# Altium PCB unextended_ANSI.PcbDoc (part 1 of 2) (continued)
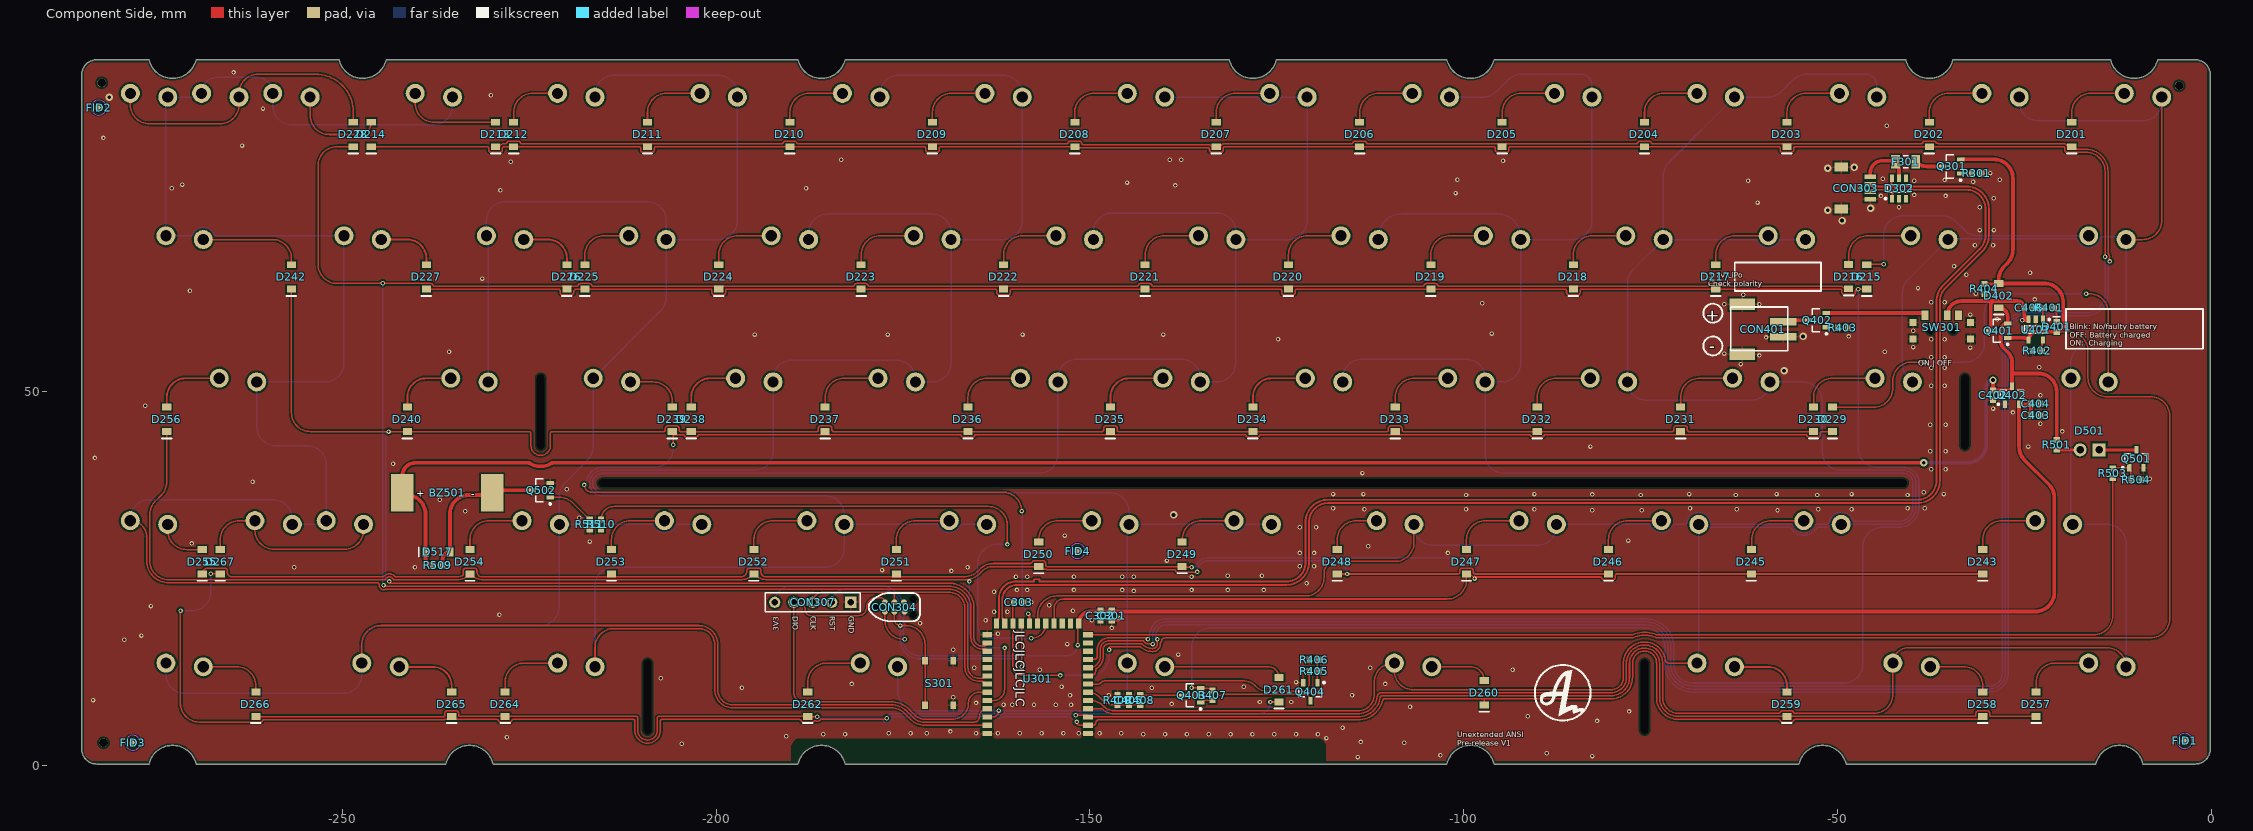
[diagram p0: Component Side view]
## Footprints (in the part's own frame and the unit in brackets; to place one, negate y for a bottom-side part, rotate by r counter-clockwise, add the part's x,y. Pads: shape width x height; smd on the part's side, far side on the other; paste and mask are expansions set on the pad) (continued)
  rect 1x0.75 smd: 1(-3,1.875) 1(3,1.875) 2(-3,-1.875) 2(3,-1.875)
  body extent -3.25,-2.55 3.25,2.55, height 2

## Part data
BZ501: library part Speaker, "Loudspeaker", LCSC MFG=Fengming, LCSC Part #=C409829, MRF.Part=YS-SBZ1230
C301 C402 C404 C406: library part Cap, "Capacitor", LCSC MFG="Samsung Electro-Mechanics", LCSC Part #=C19666, MRF.Part=CL10A475KO8NNNC
C302 C303: library part Cap, "Capacitor", LCSC MFG=YAGEO, LCSC Part #=C14663, MFG=KEMET, MFGPN=C0603C104M5RACTU, MRF.Part=CC0603KRX7R9BB104, Version="0603 imperial"
C403: library part Cap, "Capacitor", LCSC MFG="Samsung Electro-Mechanics", LCSC Part #=C15849, MFG=KEMET, MFGPN=C0603C104M5RACTU, MRF.Part=CL10A105KB8NNNC, Version="0603 imperial"
C405: library part Cap, "Capacitor", Version="0603 imperial"
CON303: "JST for USB daughter board", LCSC MFG="JST Sales America", LCSC Part #=C160404, MFG="JST Sales America Inc.", MFGPN=SM04B-SRSS-TB(LF)(SN), MRF.Part=SM04B-SRSS-TB(LF)(SN)
CON304: library part "Header 3X2", "Header, 3-Pin, Dual row"
CON307: "Header, 5-Pin"
CON401: library part "JST S2B-PH-SM4-TB", LCSC MFG="JST Sales America"
D201 D202 D203 D204 D205 D206 D207 D208 D209 D210 D211 D212 D213 D214 D215 D216 D217 D218 D219 D220 D221 D222 D223 D224 D225 D226 D227 D228 D229 D230 D231 D232 D233 D234 D235 D236 D237 D238 D239 D240 D242 D243 D245 D246 D247 D248 D249 D250 D251 D252 D253 D254 D255 D256 D257 D258 D259 D260 D261 D262 D264 D265 D266 D267: "Default Diode", LCSC MFG=ST(Semtech), LCSC Part #=C81598, MRF.Part=1N4148W, Version=SOD-123
D302: LCSC MFG="ProTek Devices", LCSC Part #=C85364, MRF.Part=SRV05-4-P-T7
D401: "Typical INFRARED GaAs LED", LCSC MFG="Everlight Elec", LCSC Part #=C72038, MRF.Part=19-213/Y2C-CQ2R2L/3T(CY)
D402: "Default Diode", LCSC MFG="Changjiang Electronics Tech (CJ)", LCSC Part #=C8598, MRF.Part=B5819W, Version=SOD-123
D501: library part Diode, "Default Diode"
D517: library part Diode, "Default Diode", LCSC MFG="Changjiang Electronics Tech (CJ)", LCSC Part #=C8598, MRF.Part=B5819W, Version=SOD-123
F301: "Thermal Fuse", LCSC MFG="Shenzhen JDT Fuse", LCSC Part #=C135338, MFG="Bel Fuse Inc.", MFGPN=0ZCJ0050FF2G, MRF.Part=ASMD1206-050
Q301 Q401 Q402: "P-Channel Power MOSFET", LCSC MFG="Vishay Intertech", LCSC Part #=C10487, MRF.Part=SI2301CDS-T1-GE3
  Q301 Q402: Version=SOT23-3
  Q401: Note="Pin 4 not drawn and electrically connected to Pin 2."
Q403: library part PMOS-2, "P-Channel Power MOSFET", LCSC MFG="Vishay Intertech", LCSC Part #=C10487, MRF.Part=SI2301CDS-T1-GE3, Note="Pin 4 not drawn and electrically connected to Pin 2."
Q404 Q501 Q502: library part MOSFET-N, "N-Channel MOSFET", LCSC MFG="Changjiang Electronics Tech (CJ)", LCSC Part #=C8545, MRF.Part=2N7002
R301 R403 R504: "Resistor", LCSC MFG="Uniroyal Elec", LCSC Part #=C25804, MFG="Panasonic Electronic Components", MFGPN=ERJ-3EKF5101V, MRF.Part=0603WAF1002T5E, Version="0603 imperial"
R401 R501 R503: "Resistor", LCSC MFG="UNI-ROYAL(Uniroyal Elec)", LCSC Part #=C23179, MFG="Panasonic Electronic Components", MFGPN=ERJ-3EKF5101V, MRF.Part=0603WAF4700T5E, Version="0603 imperial"
R402: "Resistor", LCSC MFG="Uniroyal Elec", LCSC Part #=C23186, MFG="Panasonic Electronic Components", MFGPN=ERJ-3EKF5101V, MRF.Part=0603WAF5101T5E, Version="0603 imperial"
R404 R406 R407 R511: "Resistor", LCSC MFG="Uniroyal Elec", LCSC Part #=C25803, MRF.Part=0603WAF1003T5E, Version="0603 imperial"
R405 R510: "Resistor", LCSC MFG="Uniroyal Elec", LCSC Part #=C23138, MRF.Part=0603WAF3300T5E, Version="0603 imperial"
R408: "Resistor", LCSC MFG="Uniroyal Elec", LCSC Part #=C22935, MRF.Part=0603WAF1004T5E, Version="0603 imperial"
R409: "Resistor", LCSC MFG="Uniroyal Elec", LCSC Part #=C22976, MRF.Part=0603WAF2004T5E, Version="0603 imperial"
R509: "Resistor", LCSC MFG="Uniroyal Elec", LCSC Part #=C23228, MRF.Part=0603WAF6800T5E, Version="0603 imperial"
S201 S202 S203 S204 S205 S206 S207 S208 S209 S210 S211 S212 S213 S214 S216 S217 S218 S219 S220 S221 S222 S223 S224 S225 S226 S227 S228 S229 S230 S231 S232 S233 S234 S235 S236 S237 S238 S239 S240 S242 S243 S245 S246 S247 S248 S249 S250 S251 S252 S253 S254 S255 S256 S257 S258 S259 S260 S261 S262 S264 S265 S266 S267: library part SW-PB, "Switch"
S215: library part SW-PB, "TAB"
S301: "Switch", LCSC MFG="XKB Enterprise", LCSC Part #=C318888, MFG=C&K, MFGPN="PTS645SM43SMTR92 LFS", MRF.Part=TS-1187A-C-D-B
SW301: LCSC MFG="Korean Hroparts Elec", LCSC Part #=C136659, MFGPN=K3-1296S-E2
U401: library part MCP73831, LCSC MFG="Nanjing Extension Microelectronics", LCSC Part #=C32574, MRF.Part=TP4054
U402: library part "SOT23 LDO", LCSC MFG="Torex Semicon", LCSC Part #=C5446, MFG="Texas Instruments", MFGPN=TPS7A0533PDBZ, MRF.Part=XC6206P332MR
U301: MFG=HolyIOT, MFGPN=18010

## Free pads (board coordinates)
  round 1.152 hole 1.152 unplated paste+0.148 mask+0.148: ""(-282.194,91.313) ""(-281.94,3.048) ""(-4.318,90.932)
  round 0 hole 1 slot 10 at 90 deg unplated: ""(-223.462,47.315) ""(-209.169,9.215) ""(-75.819,9.215) ""(-32.962,47.315)
  round 0 hole 1 slot 175 at 0 deg unplated: ""(-128.212,37.79)

## Via types
v1: diameter 0.6, hole 0.3, Component Side to Bottom Layer, tented both sides, 291 vias
v2: diameter 1, hole 0.5, Component Side to Bottom Layer, tented both sides, 11 vias

## Nets (pads, with @x,y where several pads share a name; then routed paths per layer and width w, separated by ;. In a path a pad name is that pad's centre, name@x,y a point inside that pad or via, vN(x,y) a via of type N, cw(c..) or ccw(c..) an arc to the next point about the centre after c; other vN are vias at no path point)
BUZZ: R510.2 U301.18 | length 84.2
  Component Side w0.203: R510.2@-215.392,32.908 cw(c-213.635,32.908) -213.635,34.665 -163.576,34.665 cw(c-163.576,32.125) -161.036,32.125 v1(-161.036,29.591) ; v1@-157.861,17.018 ccw(c-157.861,18.979) -155.9,18.979 U301.18@-155.9,19
  Bottom Layer w0.203: v1(-161.036,29.591) -162.433,29.591 ccw(c-162.433,27.051) -164.973,27.051 -164.973,18.74 ccw(c-163.27,18.74) -163.27,17.037 v1(-157.858,17.037)
col1: S201.2 S202.2 S215.2 S216.2 S229.2 S230.2 S243.2 S257.2 S258.2 U301.4 | length 323.2
  Component Side w0.203: U301.4@-150.25,7.6 -148.378,7.6 -148.367,7.589 ccw(c-146.802,9.154) -146.802,6.941 -114.134,6.941 ccw(c-114.134,9.521) -112.769,7.331 -112.748,7.344 ccw(c-112.835,7.528) -112.714,7.365 -112.692,7.381 cw(c-112.571,7.218) -112.686,7.385 ccw(c-114.134,9.521) -111.571,9.226 ccw(c-114.134,9.521) -111.563,9.312 cw(c-111.36,9.295) -111.559,9.338 cw(c-111.057,9.226) -111.057,9.74 -80.305,9.74 ccw(c-80.305,11.811) -79.845,9.791 ccw(c-80.305,11.811) -78.547,10.715 ccw(c-80.305,11.811) -78.233,11.811 -78.233,12.985 -78.233,13.964 cw(c-78.03,13.964) -78.226,14.02 ccw(c-79.634,14.431) -78.192,14.162 cw(c-75.819,13.715) -78.066,14.598 cw(c-75.819,13.715) -73.558,14.561 ; -73.558,14.561 cw(c-73.935,14.419) -73.539,14.496 ccw(c-73.34,14.535) -73.533,14.471 cw(c-73.724,14.401) -73.53,14.461 -73.528,14.458 ccw(c-73.143,14.577) -73.528,14.455 ccw(c-73.143,14.577) -73.526,14.451 cw(c-75.819,13.715) -73.431,14.025 ; -73.399,13.898 -73.399,8.905 ccw(c-73.196,8.906) -73.398,8.885 ccw(c-71.274,9.12) -72.855,7.682 ccw(c-72.706,7.82) -72.829,7.659 -72.758,7.604 cw(c-72.881,7.443) -72.737,7.586 -72.588,7.437 ccw(c-72.444,7.58) -72.568,7.42 ccw(c-71.274,9.12) -72.479,7.355 ccw(c-71.274,9.12) -71.274,6.983 -57.865,6.983 ccw(c-57.866,7.186) -57.672,7.125 cw(c-57.384,7.035) -57.384,7.337 -56.164,7.337 cw(c-56.164,7.035) -55.876,7.124 ccw(c-55.682,7.186) -55.683,6.983 -45.14,6.983 ccw(c-45.14,9.523) -42.6,9.523 S258.2@-42.6,13.715 cw(c-40.567,13.715) -40.567,15.748 -13.945,15.748 cw(c-13.945,13.215) S257.2@-11.412,13.215 ; S215.2@-11.412,70.365 -9.19,70.365 ccw(c-9.19,72.905) -6.65,72.905 S201.2@-6.65,89.415
  Bottom Layer w0.203: S230.2@-39.987,51.315 -40.573,51.901 cw(c-38.777,53.697) -41.317,53.697 -41.317,63.221 cw(c-38.777,63.221) -40.573,65.017 S216.2@-35.225,70.365 cw(c-35.128,70.365) -35.128,70.462 -18.079,70.462 cw(c-18.08,70.259) -17.89,70.329 ccw(c-16.412,70.865) -17.855,70.241 ; S202.2@-25.7,89.415 -25.7,88.773 ccw(c-23.16,88.773) -23.16,86.233 -9.19,86.233 ccw(c-9.19,88.773) -6.65,88.773 S201.2@-6.65,89.415 ; S215.2@-11.412,70.365 -11.697,70.649 ccw(c-11.84,70.505) -11.84,70.709 -14.676,70.709 ccw(c-14.675,70.505) -14.873,70.548 cw(c-16.412,70.865) -17.855,70.241 ; S257.2@-11.412,13.215 -11.412,29.725 ccw(c-13.952,29.725) -13.952,32.265 S243.2@-18.556,32.265 cw(c-18.556,32.503) -18.794,32.503 S229.2@-18.794,51.815 -18.794,53.848 cw(c-16.254,53.848) -16.254,56.388 -13.462,56.388 ccw(c-13.462,58.438) -11.412,58.438 S215.2@-11.412,70.365 ; -17.855,70.241 ccw(c-16.412,70.865) -17.657,69.905 cw(c-16.412,70.865) -17.855,70.24
col2: S203.2 S204.2 S217.2 S218.2 S231.2 S232.2 S245.2 S246.2 S259.2 S260.2 U301.5 | length 286.5
  Component Side w0.203: U301.5@-150.25,8.7 -149.96,8.7 cw(c-149.96,6.16) -148.164,7.956 -148.082,7.874 ccw(c-146.802,9.154) -146.802,7.344 -114.134,7.344 ccw(c-114.134,9.521) -111.957,9.521 -111.957,11.175 cw(c-109.417,11.175) -109.417,13.715 S260.2@-109.28,13.715 -109.28,12.683 ccw(c-106.74,12.683) -106.74,10.143 -80.305,10.143 ccw(c-80.305,11.811) -79.712,10.252 ccw(c-80.305,11.811) -78.889,10.928 ccw(c-80.305,11.811) -78.637,11.811 -78.637,12.254 -78.637,13.964 cw(c-78.03,13.964) -78.613,14.132 ccw(c-79.634,14.431) -78.588,14.237 cw(c-75.819,13.715) -78.426,14.783 ; -78.441,14.746 cw(c-75.819,13.715) -78.057,15.427 cw(c-75.819,13.715) -76.114,16.517 ; -76.114,16.517 cw(c-75.819,13.715) -73.897,15.775 cw(c-75.819,13.715) -73.181,14.705 -73.18,14.704 ; -73.181,14.704 cw(c-73.935,14.419) -73.148,14.595 ccw(c-72.95,14.639) -73.143,14.577 cw(c-75.819,13.715) -73.052,14.209 cw(c-75.819,13.715) -73.032,14.082 ccw(c-72.83,14.109) -73.022,14.04 ccw(c-72.557,14.209) -72.557,13.715 S259.2@-68.799,13.715
  Bottom Layer w0.203: S259.2@-68.799,13.715 ccw(c-69.371,14.287) -68.562,14.287 S246.2@-68.562,32.265 -67.498,32.265 cw(c-67.499,32.062) -67.324,32.164 ccw(c-66.799,32.468) -66.801,31.862 -56.387,31.862 cw(c-56.388,31.659) -56.214,31.763 ccw(c-54.512,32.765) -52.811,31.763 cw(c-52.636,31.659) -52.637,31.862 -51.682,31.862 ccw(c-51.682,33.147) -50.861,32.158 ccw(c-51.251,32.623) -50.813,32.203 cw(c-50.667,32.062) -50.668,32.265 S245.2@-49.512,32.265 -41.843,32.265 ccw(c-41.843,34.595) -41.63,32.275 ; S217.2@-54.275,70.365 -57.644,70.365 ccw(c-57.645,70.162) -57.832,70.242 cw(c-59.275,70.865) -60.718,70.242 ccw(c-60.905,70.162) -60.906,70.365 S218.2@-73.325,70.365 ; S203.2@-44.75,89.415 -44.75,90.978 ccw(c-46.228,90.978) -46.228,92.456 -54.193,92.456 ccw(c-54.193,89.916) -55.989,91.712 -57.542,90.159 cw(c-59.338,91.955) -59.338,89.415 S204.2@-63.8,89.415 -72.581,80.634 ccw(c-70.785,78.838) -73.325,78.838 S218.2@-73.325,70.365 ; -41.141,32.373 cw(c-41.843,34.595) -41.63,32.275 ; S218.2@-73.325,70.365 -77.344,66.346 ccw(c-75.547,64.55) -78.087,64.55 S232.2@-78.087,51.315 ccw(c-75.667,51.315) -75.667,48.895 -61.457,48.895 ccw(c-61.457,51.315) S231.2@-59.037,51.315 -54.61,51.315 cw(c-54.61,48.775) -52.07,48.775 -52.07,42.04 ccw(c-49.53,42.037) -49.649,39.5 ccw(c-49.64,39.703) -49.641,39.5 -43.309,39.5 cw(c-43.307,39.096) -43.307,39.5 -41.212,39.5 cw(c-41.212,37.79) -39.67,38.529 cw(c-41.212,37.79) -39.511,37.625 ccw(c-38.907,37.571) -39.513,37.57 -39.513,35.302 -39.513,34.428 ccw(c-39.32,34.363) -39.523,34.383 cw(c-41.843,34.595) -41.63,32.275
col3: S205.2 S206.2 S219.2 S220.2 S233.2 S234.2 S247.2 S248.2 U301.19 | length 327
  Component Side w0.203: U301.19@-157,19 -157,20.149 cw(c-154.46,20.149) -154.46,22.689 -121.171,22.689 ccw(c-121.171,25.172) -118.687,25.172 -118.687,25.712 cw(c-117.094,25.712) -117.094,27.305 -109.202,27.305 ccw(c-109.202,29.845) -106.662,29.845 S248.2@-106.662,32.265
  Bottom Layer w0.203: S234.2@-116.187,51.315 -116.187,51.816 cw(c-113.647,51.816) -113.647,54.356 -99.677,54.356 cw(c-99.677,51.816) -97.137,51.816 S233.2@-97.137,51.315 ; S220.2@-111.413,70.366 cw(c-108.309,70.668) -108.309,73.787 -95.491,73.787 cw(c-95.491,70.668) S219.2@-92.387,70.366 ; S248.2@-106.662,32.265 -106.662,32.004 ccw(c-104.122,32.004) -104.122,29.464 -90.152,29.464 ccw(c-90.152,32.004) -87.612,32.004 S247.2@-87.612,32.265 -75.191,32.265 cw(c-75.192,32.062) -75.006,32.143 ccw(c-73.562,32.765) -72.119,32.143 cw(c-71.933,32.062) -71.934,32.265 -70.324,32.265 ccw(c-70.325,32.468) -70.124,32.444 cw(c-68.562,32.265) -67.118,32.885 cw(c-68.562,32.265) -67.001,32.444 ccw(c-66.799,32.468) -66.8,32.265 -56.141,32.265 cw(c-56.142,32.062) -55.956,32.143 ccw(c-54.512,32.765) -53.069,32.143 cw(c-52.883,32.062) -52.884,32.265 -51.682,32.265 ccw(c-51.682,33.147) -51.12,32.467 ccw(c-51.251,32.623) -51.052,32.581 cw(c-49.512,32.265) -49.289,33.821 ; S206.2@-101.9,89.415 -97.438,89.415 ccw(c-97.438,91.955) -95.642,90.159 -94.089,91.712 cw(c-92.293,89.916) -92.293,92.456 -84.328,92.456 cw(c-84.328,90.978) -82.85,90.978 S205.2@-82.85,89.415 -82.85,72.905 cw(c-85.39,72.905) -85.39,70.365 S219.2@-92.375,70.365 -92.375,53.855 cw(c-94.915,53.855) -94.915,51.315 S233.2@-97.137,51.315 ; -49.549,33.836 cw(c-49.512,32.265) -49.289,33.821 ; -49.263,33.819 cw(c-49.262,34.022) -49.289,33.821 ; -39.912,37.662 ccw(c-39.511,37.625) -39.913,37.655 ; S233.2@-97.137,51.315 -97.137,41.636 ccw(c-94.597,41.636) -94.597,39.096 -43.307,39.096 -41.212,39.096 cw(c-41.212,37.79) -41.209,39.096 cw(c-41.212,37.79) -39.913,37.655 ; -49.289,33.821 cw(c-49.512,32.265) -48.035,32.801 ccw(c-47.844,32.871) -47.845,32.668 -41.843,32.668 ccw(c-41.843,34.595) -39.916,34.595 -39.916,37.571 cw(c-38.907,37.571) -39.913,37.655
col4: S207.2 S208.2 S221.2 S222.2 S235.2 S236.2 S249.2 S250.2 S261.1 S262.2 U301.35 | length 348.2
  Component Side w0.203: U301.35@-163.75,6.5 -163.045,6.5 ccw(c-163.045,7.366) v1(-162.179,7.366)
  Bottom Layer w0.203: S262.2@-175.718,13.215 -175.718,9.906 ccw(c-173.178,9.906) -173.178,7.366 v1(-162.179,7.366) -147.539,7.366 ccw(c-147.539,9.906) -144.999,9.906 S261.1@-144.999,13.715 -144.999,32.028 cw(c-144.762,32.028) S250.2@-144.762,32.265 ; S222.2@-149.525,70.365 -149.525,71.374 cw(c-146.985,71.374) -146.985,73.914 -133.015,73.914 cw(c-133.015,71.374) -130.475,71.374 S221.2@-130.475,70.365 ; S208.2@-140,89.415 -127.581,89.415 cw(c-127.58,89.212) -127.393,89.292 ccw(c-125.95,89.915) -124.507,89.292 cw(c-124.32,89.212) -124.319,89.415 S207.2@-120.95,89.415 -120.95,72.905 cw(c-123.49,72.905) -123.49,70.365 S221.2@-130.475,70.365 ; S249.2@-125.712,32.265 -129.082,32.265 ccw(c-129.083,32.062) -129.269,32.142 cw(c-130.712,32.765) -132.155,32.142 ccw(c-132.342,32.062) -132.343,32.265 S250.2@-144.762,32.265 ; S250.2@-144.762,32.265 -144.762,33.944 ccw(c-147.302,33.944) -147.302,36.484 -215.212,36.484 cw(c-215.212,37.79) -215.212,39.096 -156.827,39.096 ccw(c-156.827,41.636) -154.287,41.636 S236.2@-154.287,51.315 -154.287,51.816 cw(c-151.747,51.816) -151.747,54.356 -137.777,54.356 cw(c-137.777,51.816) -135.237,51.816 S235.2@-135.237,51.315 -133.015,51.315 ccw(c-133.015,53.855) -130.475,53.855 S221.2@-130.475,70.365
col5: S209.2 S210.2 S223.2 S224.2 S237.2 S238.2 S251.2 S252.2 S264.1 U301.36 | length 329.3
  Component Side w0.203: S264.1@-216.199,13.215 -216.199,15.797 cw(c-213.659,15.797) -213.659,18.337 -202.479,18.337 cw(c-202.479,18.134) -202.404,18.323 -202.326,18.292 ccw(c-202.251,18.48) -202.252,18.277 -201.834,18.277 cw(c-201.835,18.074) -201.787,18.272 cw(c-202.311,16.2) -200.749,17.658 cw(c-202.311,16.2) -200.174,16.2 -200.174,10.14 ccw(c-197.759,10.14) -197.759,7.725 -176.566,7.725 cw(c-176.566,5.185) -174.77,6.981 -173.933,6.144 ccw(c-172.137,7.94) -172.137,5.4 U301.36@-163.75,5.4
  Bottom Layer w0.203: S264.1@-216.199,13.215 -216.199,24.003 cw(c-213.659,24.003) -213.659,26.543 -185.402,26.543 ccw(c-185.402,29.083) -182.862,29.083 S252.2@-182.862,32.265 ; S224.2@-187.625,70.365 -187.625,71.247 cw(c-185.085,71.247) -185.085,73.787 -171.115,73.787 cw(c-171.115,71.247) -168.575,71.247 S223.2@-168.575,70.365 ; S210.2@-178.1,89.415 -178.1,89.789 cw(c-175.56,89.789) -175.56,92.329 -161.59,92.329 cw(c-161.59,89.789) -159.05,89.789 S209.2@-159.05,89.415 -159.05,72.905 cw(c-161.59,72.905) -161.59,70.365 S223.2@-168.575,70.365 ; S251.2@-163.812,32.265 -167.182,32.265 ccw(c-167.183,32.062) -167.369,32.142 cw(c-168.812,32.765) -170.255,32.142 ccw(c-170.442,32.062) -170.443,32.265 S252.2@-182.862,32.265 ; S252.2@-182.862,32.265 -182.862,33.54 ccw(c-185.402,33.54) -185.402,36.08 -215.212,36.08 cw(c-215.212,37.79) -215.212,39.5 -194.927,39.5 ccw(c-194.927,42.04) -192.387,42.04 S238.2@-192.387,51.315 -192.387,51.689 cw(c-189.847,51.689) -189.847,54.229 -175.877,54.229 cw(c-175.877,51.689) -173.337,51.689 S237.2@-173.337,51.315 -171.115,51.315 ccw(c-171.115,53.855) -168.575,53.855 S223.2@-168.575,70.365
col6: S211.2 S212.2 S225.2 S226.2 S239.2 S240.2 S253.2 S254.2 S265.2 S266.2 U301.34 | length 337.9
  Component Side w0.203: S265.2@-247.388,13.715 -247.388,16.2 cw(c-244.848,16.2) -244.848,18.74 -202.311,18.74 cw(c-202.311,16.2) -199.771,16.2 -199.771,10.14 ccw(c-197.759,10.14) -197.759,8.128 -176.566,8.128 cw(c-176.566,5.185) -174.485,7.267 -173.676,6.458 ccw(c-171.882,8.255) -173.284,6.137 ccw(c-172.137,7.94) -172.137,5.803 -165.519,5.803 ccw(c-165.519,6.56) -164.763,6.56 -164.763,6.587 cw(c-163.75,6.587) U301.34@-163.75,7.6
  Bottom Layer w0.203: S266.2@-273.587,13.715 -273.587,12.192 ccw(c-271.047,12.192) -271.047,9.652 -249.928,9.652 ccw(c-249.928,12.192) -247.388,12.192 S265.2@-247.388,13.715 -247.44,15.764 -247.44,15.767 cw(c-244.612,15.909) -244.612,18.74 -223.502,18.74 ccw(c-223.502,21.28) -220.962,21.28 S254.2@-220.962,32.265 ; S240.2@-230.487,51.315 -230.487,70.628 ccw(c-230.725,70.628) S226.2@-230.725,70.865 -230.725,72.898 cw(c-228.185,72.898) -228.185,75.438 -209.215,75.438 cw(c-209.215,72.898) -206.675,72.898 S225.2@-206.675,70.365 ; S212.2@-216.2,89.415 -216.2,89.789 cw(c-213.66,89.789) -213.66,92.329 -199.69,92.329 cw(c-199.69,89.789) -197.15,89.789 S211.2@-197.15,89.415 -197.15,72.905 cw(c-199.69,72.905) -199.69,70.365 S225.2@-206.675,70.365 ; S253.2@-201.912,32.265 -205.282,32.265 ccw(c-205.283,32.062) -205.469,32.142 cw(c-206.912,32.765) -208.355,32.142 ccw(c-208.542,32.062) -208.543,32.265 S254.2@-220.962,32.265 ; S254.2@-220.962,32.265 -220.962,36.05 cw(c-218.422,36.05) -220.218,37.846 -217.181,40.883 ccw(c-218.977,42.679) -216.437,42.679 S239.2@-216.437,51.815 -207.419,60.834 ccw(c-209.215,62.63) -206.675,62.63 S225.2@-206.675,70.365
col7: S213.2 S214.2 S227.2 S228.1 S242.2 S255.2 S256.2 S267.1 U301.30 | length 308.5
  Component Side w0.203: S255.2@-278.35,32.765 cw(c-278.35,30.562) -276.147,30.562 -276.147,27.388 ccw(c-273.204,27.388) -273.204,24.445 -245.271,24.445 cw(c-245.272,24.242) -245.071,24.214 ccw(c-244.475,24.13) -244.724,23.582 ; S227.2@-249.775,70.865 S227.2@-249.775,70.993 ; -244.805,23.6 cw(c-244.806,23.397) -244.724,23.582 ; U301.30@-163.75,12 cw(c-164.513,12.763) -164.513,11.684 -164.846,11.684 cw(c-164.846,13.152) -166.314,13.152 -166.314,13.282 -166.314,21.06 ccw(c-168.854,21.06) -168.854,23.6 -174.625,23.6 -243.551,23.6 ccw(c-243.553,23.397) -243.553,23.6 -244.145,23.6 ; -244.724,23.582 ccw(c-244.475,24.13) -244.226,23.582 cw(c-244.144,23.397) -244.145,23.6 ; -244.723,23.582 ccw(c-244.475,24.13) -244.226,23.582 cw(c-244.144,23.397) -244.145,23.6
  Bottom Layer w0.203: S255.2@-278.35,32.765 -278.35,33.02 cw(c-275.81,33.02) -275.81,35.56 -259.22,35.56 cw(c-259.22,33.02) -256.68,33.02 S267.1@-256.68,32.265 -252.655,32.265 ccw(c-252.655,32.765) S267.1@-252.155,32.765 -252.155,40.259 ccw(c-254.695,40.259) -254.695,42.799 -258.91,42.799 cw(c-258.91,45.339) -261.45,45.339 S256.2@-261.45,51.315 -252.315,51.315 ccw(c-252.315,53.855) -249.775,53.855 S227.2@-249.775,70.865 -266.959,70.865 cw(c-266.958,71.068) -267.144,70.987 ccw(c-268.587,70.365) -270.031,70.987 cw(c-270.217,71.068) -270.216,70.865 S242.2@-273.587,70.865 -273.587,89.172 cw(c-273.344,89.172) S228.1@-273.344,89.415 -269.319,89.415 ccw(c-269.319,89.915) S228.1@-268.819,89.915 cw(c-266.659,89.915) -266.659,92.075 -261.46,92.075 cw(c-261.46,89.915) S214.2@-259.3,89.915 -259.3,88.265 ccw(c-256.76,88.265) -256.76,85.725 -237.79,85.725 ccw(c-237.79,88.265) -235.25,88.265 S213.2@-235.25,89.415
D_N: CON303.2 D302.6 U301.23 | length 197.8
  Component Side w0.254: U301.23@-161.4,19 -161.4,19.073 ccw(c-161.949,19.073) -161.561,19.461 cw(c-161.173,19.849) -161.721,19.849 -161.721,22.175 cw(c-159.715,22.175) -159.715,24.181 -123.698,24.181 ccw(c-123.698,27.178) -120.701,27.178 -120.701,32.563 cw(c-118.161,32.563) -118.161,35.103 -39.319,35.103 ccw(c-39.319,38.1) -36.322,38.1 -36.322,45.172 -36.322,62.067 cw(c-33.782,62.067) -35.578,63.863 -30.646,68.795 ccw(c-32.763,70.912) -29.769,70.912 -29.769,74.481 ccw(c-32.766,74.481) -32.766,77.479 -42.799,77.479 ; CON303.2@-45.625,77.75 ccw(c-45.354,77.75) -45.354,77.479 -42.799,77.479 ; D302.6@-42.733,78.591 ccw(c-42.733,78.525) -42.799,78.525 -42.799,77.479
D_P: CON303.3 D302.1 U301.24 | length 197.8
  Component Side w0.254: U301.24@-162.5,19 -162.5,19.073 cw(c-161.951,19.073) -162.339,19.461 ccw(c-162.727,19.849) -162.179,19.849 -162.179,22.364 cw(c-159.905,22.364) -159.905,24.638 -157.61,24.638 -157.483,24.638 -157.483,24.924 -156.721,24.924 -156.721,24.638 -155.5,24.638 -123.698,24.638 ccw(c-123.698,27.178) -121.158,27.178 -121.158,32.563 cw(c-118.161,32.563) -118.161,35.56 -39.319,35.56 ccw(c-39.319,38.1) -36.779,38.1 -36.779,43.853 -36.779,48.074 -36.779,57.683 -36.779,57.872 -36.779,62.068 cw(c-33.785,62.068) -35.902,64.185 -30.97,69.118 ccw(c-32.766,70.914) -30.226,70.914 -30.226,74.481 ccw(c-32.766,74.481) -32.766,77.021 -42.672,77.021 ; CON303.3@-45.625,76.75 cw(c-45.354,76.75) -45.354,77.021 -42.672,77.021 ; D302.1@-42.733,75.841 ccw(c-42.733,75.902) -42.672,75.902 -42.672,77.021
GND: C301.1 C302.1 C303.1 C402.1 C403.1 C404.1 C405.1 C406.1 CON303.4 CON303.5 CON304.5 CON307.1 CON401.2 CON401.3 D302.2 Q404.2 Q501.2 Q502.2 R301.2 R402.2 R403.2 R404.2 R406.2 R409.2 R504.2 R511.2 S301.1 SW301.M U301.1 U301.25 U301.37 U401.2 U402.1 | length 1.2
  Component Side w0.305: C301.1@-147.066,19.416 -146.319,19.416 ccw(c-146.319,19.685) v1(-146.05,19.685)
  other v1: -114.173,1.143 -82.804,1.27 -103.124,1.397 -88.9,1.651 -204.597,2.921 -107.95,3.048 -113.792,3.175 -118.364,3.683 -227.971,3.809 -190.627,3.937 -185.674,4.191 -182.753,4.191 -142.875,4.191 -139.954,4.191 -137.033,4.191 -134.112,4.191 -131.191,4.191 -128.27,4.191 -125.349,4.191 -122.428,4.191 -119.507,4.191 -171.831,4.318 -151.511,4.318 -148.717,4.318 -145.796,4.318 -176.911,4.333 -173.99,4.333 -165.227,4.333 -162.306,4.333 -159.385,4.333 -156.464,4.333 -153.543,4.333 -168.656,4.572 -116.205,5.08 -82.169,5.969 -91.44,6.604 -77.886,7.251 -107.188,7.874 -161.544,8.128 -152.527,8.128 -160.401,8.143 -157.48,8.143 -154.559,8.143 -139.065,8.255 -165.227,8.382 -127.254,8.509 -123.063,8.509 -283.337,8.763 -168.275,9.144 -152.654,9.398 -114.935,9.398 -147.461,9.428 -141.732,10.414 -196.545,10.418 -153.797,10.541 -129.413,10.541 -181.864,10.922 -110.49,10.922 -122.428,11.176 -207.391,11.684 -156.718,12.827 -93.472,12.827 -165.481,13.081 -112.522,13.081 -138.176,14.859 -168.275,15.494 -153.035,16.256 -279.154,16.828 -276.86,17.399 -162.306,17.653 -147.066,18.415 -172.72,19.05 -163.957,19.431 -149.733,19.431 -228.981,20.193 -162.814,20.574 -161.036,20.574 -152.273,20.701 -275.59,21.336 -155.448,21.463 -157.861,21.844 -162.814,23.241 -144.145,23.368 -159.766,23.495 -158.369,23.495 -145.669,23.495 -136.398,23.495 -131.572,23.495 -126.746,23.495 -152.146,23.5 -121.031,24.384 -159.893,25.273 -158.369,25.273 -152.146,25.273 -145.669,25.273 -144.145,25.273 -136.398,25.268 -131.572,25.4 -127,25.4 -168.529,26.035 -177.8,26.162 -256.413,26.543 -240.284,26.543 -166.37,26.543 -121.92,26.67 -120.015,26.67 -139.7,27.432 -121.92,28.448 -120.015,28.448 -102.108,28.448 -112.776,29.337 -270.129,29.718 -216.916,29.972 -77.983,30.108 -153.379,30.771 -121.92,31.877 -119.761,31.877 -218.313,33.147 -233.553,34.036 -82.804,34.163 -76.195,34.154 -58.034,34.154 -113.284,34.29 -99.695,34.29 -90.551,34.29 -63.5,34.29 -52.578,34.29 -48.133,34.29 -117.475,34.417 -69.723,34.417 -40.64,34.417 -38.354,34.417 -236.967,35.56 -99.695,36.195 -76.327,36.195 -63.627,36.195 -52.705,36.195 -40.64,36.195 -82.807,36.267 -117.475,36.322 -113.411,36.322 -90.551,36.322 -69.85,36.322 -58.166,36.322 -48.133,36.322 -35.814,36.322 -38.481,36.576 -222.25,36.83 -219.964,36.957 -262.001,37.973 -8.255,38.354 -113.558,39.129 -37.465,39.624 -35.56,39.624 -243.205,40.386 -283.083,41.148 -37.592,42.037 -35.56,42.037 -83.058,42.672 -24.511,42.672 -19.939,44.704 -37.592,45.593 -35.56,45.593 -22.86,45.72 -26.543,47.244 -29.21,47.752 -276.352,48.133 -22.86,49.53 -37.465,50.8 -35.687,50.8 -37.465,53.213 -35.687,53.213 -23.038,53.271 -62.959,53.715 -37.465,54.61 -35.687,54.61 -60.452,54.864 -65.151,55.118 -235.712,55.372 -43.688,55.372 -25.057,55.53 -32.258,55.914 -39.878,55.987 -124.841,57.023 -37.465,57.023 -35.687,57.023 -59.563,57.277 -48.514,57.404 -194.818,57.658 -177.038,57.658 -159.004,57.658 -140.208,57.658 -96.266,57.785 -39.878,58.175 -24.638,58.42 -28.648,59.716 -32.258,60.325 -65.151,61.722 -60.452,61.722 -97.536,61.849 -37.465,61.976 -35.687,61.976 -23.622,62.357 -62.611,62.992 -31.496,63.119 -270.383,63.5 -39.243,63.881 -231.267,65.151 -32.766,65.659 -24.257,65.913 -34.417,66.802 -31.623,69.596 -29.21,69.596 -30.988,71.628 -29.083,71.628 -41.783,74.676 -30.988,74.676 -60.706,75.311 -29.121,75.89 -44.196,76.2 -35.56,76.2 -39.751,76.327 -101.092,76.581 -228.854,76.962 -272.796,77.216 -187.96,77.216 -46.99,77.216 -138.572,77.597 -271.399,77.724 -145.034,77.978 -31.877,78.105 -61.976,78.232 -39.751,78.232 -100.838,78.359 -35.685,78.337 -28.321,78.359 -43.942,78.486 -29.591,79.248 -227.457,80.772 -94.742,80.899 -183.261,81.026 -139.319,81.026 -137.795,81.026 -263.398,82.931 -281.94,83.947 -43.434,85.598 -260.604,87.884 -230.124,89.662 -264.541,92.71
  other v2: -138.811,33.528 -57.15,52.832 -54.61,57.404 -49.403,72.898 -51.308,74.295 -45.593,74.549 -51.308,79.883 -47.752,80.01 -281.178,89.408
NetBZ501_2: BZ501.2 D517.1 Q502.3 R509.2 | length 19.5
  Component Side w0.508: R509.2@-236.586,26.797 -236.586,27.59 cw(c-235.601,27.59) D517.1@-235.601,28.575 ; D517.1@-235.601,29.083 -235.601,33.655 cw(c-233.061,33.655) -233.061,36.195 -229.966,36.195 cw(c-228.433,34.662) -228.433,36.83 Q502.3@-224.593,36.83
NetCON401_1: CON401.1 Q402.3 | length 3.5
  Component Side w0.5: CON401.1@-57.26,59.365 -57.04,59.585 Q402.3@-53.887,59.585
NetD201_1: D201.1 S201.1 | length 9.8
  Component Side w0.203: D201.1@-18.675,86.05 -18.675,87.375 cw(c-16.135,87.375) -16.135,89.915 S201.1@-11.65,89.915
NetD202_1: D202.1 S202.1 | length 9.8
  Component Side w0.203: D202.1@-37.725,86.05 -37.725,87.375 cw(c-35.185,87.375) -35.185,89.915 S202.1@-30.7,89.915
NetD203_1: D203.1 S203.1 | length 10
  Component Side w0.203: D203.1@-56.775,86.05 -56.775,87.375 cw(c-54.235,87.375) -54.235,89.915 S203.1@-49.75,89.915 ; S203.1@-50.038,90.495 S203.1@-49.79,90.495
NetD204_1: D204.1 S204.1 | length 9.8
  Component Side w0.203: D204.1@-75.825,86.05 -75.825,87.375 cw(c-73.285,87.375) -73.285,89.915 S204.1@-68.8,89.915
NetD205_1: D205.1 S205.1 | length 9.8
  Component Side w0.203: D205.1@-94.869,86.05 -94.869,87.375 cw(c-92.329,87.375) -92.329,89.915 S205.1@-87.85,89.915
NetD206_1: D206.1 S206.1 | length 9.8
  Component Side w0.203: D206.1@-113.919,86.05 -113.919,87.375 cw(c-111.379,87.375) -111.379,89.915 S206.1@-106.9,89.915
NetD207_1: D207.1 S207.1 | length 9.9
  Component Side w0.203: D207.1@-133.096,86.05 -133.096,87.375 cw(c-130.556,87.375) -130.556,89.915 S207.1@-125.95,89.915
NetD208_1: D208.1 S208.1 | length 10.4
  Component Side w0.203: D208.1@-152.019,86.05 -152.019,87.375 ; -152.019,87.955 -152.019,87.375 ; S208.1@-145,89.915 -149.479,89.915 ccw(c-149.479,87.375) -152.019,87.375
NetD209_1: D209.1 S209.1 | length 9.8
  Component Side w0.203: D209.1@-171.069,86.05 -171.069,87.375 cw(c-168.529,87.375) -168.529,89.915 S209.1@-164.05,89.915
NetD210_1: D210.1 S210.1 | length 9.8
  Component Side w0.203: D210.1@-190.125,86.05 -190.125,87.375 cw(c-187.585,87.375) -187.585,89.915 S210.1@-183.1,89.915
NetD211_1: D211.1 S211.1 | length 9.9
  Component Side w0.203: D211.1@-209.175,85.916 D211.1@-209.175,86.003 ; D211.1@-209.175,86.05 -209.175,87.375 cw(c-206.635,87.375) -206.635,89.915 S211.1@-202.15,89.915
NetD212_1: D212.1 S212.1 | length 8.7
  Component Side w0.203: D212.1@-227.076,86.05 -227.076,87.375 cw(c-224.536,87.375) -224.536,89.915 S212.1@-221.2,89.915
NetD213_1: D213.1 S213.1 | length 13.5
  Component Side w0.203: S213.1@-240.25,89.915 -240.25,88.59 ccw(c-237.71,88.59) -237.71,86.05 D213.1@-229.489,86.05
NetD214_1: D214.1 S214.1 | length 13
  Component Side w0.203: S214.1@-254.3,89.415 -254.3,86.955 ccw(c-251.76,86.955) -251.76,84.415 -247.761,84.415 ccw(c-247.761,86.05) D214.1@-246.126,86.05
NetD215_1: D215.1 S215.1 | length 36
  Component Side w0.203: D215.1@-46.101,67 cw(c-46.045,67) -46.045,67.056 v1(-43.815,67.056)
  Bottom Layer w0.203: v1(-43.815,67.056) -43.815,70.993 cw(c-41.275,70.993) -41.275,73.533 -35.977,73.533 cw(c-35.977,70.993) -34.181,72.789 -33.001,71.609 ccw(c-31.205,73.405) -31.205,70.865 S215.1@-16.412,70.865
NetD216_1: D216.1 S216.1 | length 11
  Component Side w0.203: D216.1@-48.514,67.04 -48.514,68.325 cw(c-45.974,68.325) -45.974,70.865 S216.1@-40.225,70.865
NetD217_1: D217.1 S217.1 | length 9.8
  Component Side w0.203: D217.1@-66.294,67 -66.294,68.325 cw(c-63.754,68.325) -63.754,70.865 S217.1@-59.275,70.865
NetD218_1: D218.1 S218.1 | length 9.8
  Component Side w0.203: D218.1@-85.344,67 -85.344,68.325 cw(c-82.804,68.325) -82.804,70.865 S218.1@-78.325,70.865
NetD219_1: D219.1 S219.1 | length 9.8
  Component Side w0.203: D219.1@-104.4,67 -104.4,68.325 cw(c-101.86,68.325) -101.86,70.865 S219.1@-97.375,70.865
NetD220_1: D220.1 S220.1 | length 9.8
  Component Side w0.203: D220.1@-123.45,67 -123.45,68.325 cw(c-120.91,68.325) -120.91,70.865 S220.1@-116.425,70.865
NetD221_1: D221.1 S221.1 | length 9.9
  Component Side w0.203: D221.1@-142.621,67 -142.621,68.325 cw(c-140.081,68.325) -140.081,70.865 S221.1@-135.475,70.865
NetD222_1: D222.1 S222.1 | length 9.8
  Component Side w0.203: D222.1@-161.55,67 -161.55,68.325 cw(c-159.01,68.325) -159.01,70.865 S222.1@-154.525,70.865
NetD223_1: D223.1 S223.1 | length 9.8
  Component Side w0.203: D223.1@-180.6,67 -180.6,68.325 cw(c-178.06,68.325) -178.06,70.865 S223.1@-173.575,70.865
NetD224_1: D224.1 S224.1 | length 9.8
  Component Side w0.203: D224.1@-199.644,67 -199.644,68.325 cw(c-197.104,68.325) -197.104,70.865 S224.1@-192.625,70.865
NetD225_1: D225.1 S225.1 | length 8.7
  Component Side w0.203: D225.1@-217.551,67 -217.551,68.325 cw(c-215.011,68.325) -215.011,70.865 S225.1@-211.675,70.865
NetD226_1: D226.1 S226.1 | length 8
  Component Side w0.254: S226.1@-225.725,70.365 -222.504,70.365 cw(c-222.504,67.825) -219.964,67.825 D226.1@-219.964,67
NetD227_1: D227.1 S227.1 | length 8.3
  Component Side w0.254: S227.1@-244.775,70.365 -241.3,70.365 cw(c-241.3,67.825) -238.76,67.825 D227.1@-238.76,67